# Altium PCB RailGun and Grabber PCB.PcbDoc (part 1 of 2)
Units mm, origin at the board's own origin, x right, y up, seen from the top; angles counter-clockwise.
Board outline 60 x 60 mm, 2 copper layers (Top Layer, Bottom Layer); 106 components, 59 nets, 345 pads, 97 vias.
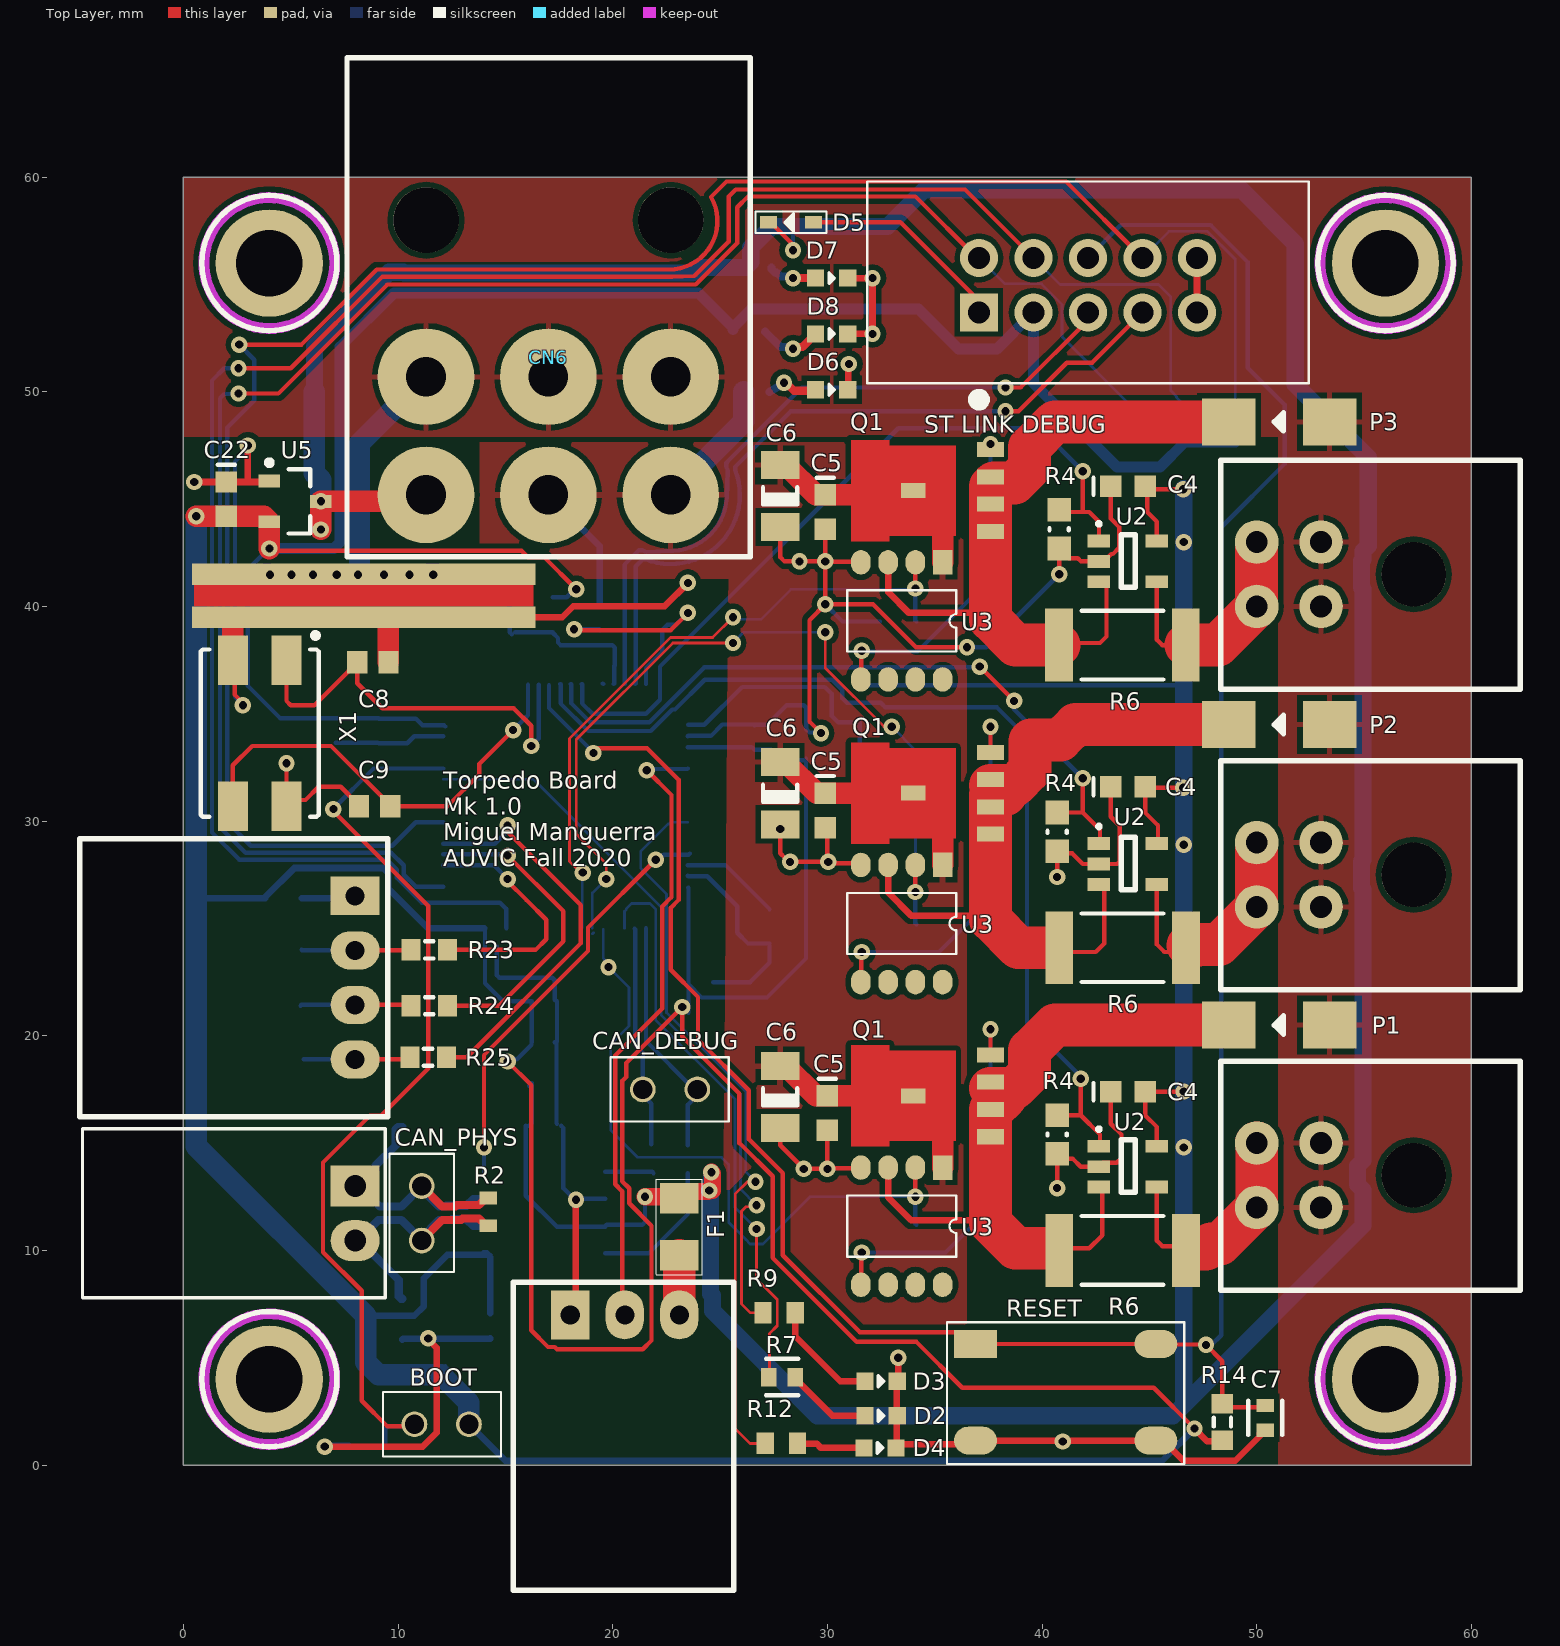
[diagram p0: Top Layer view]
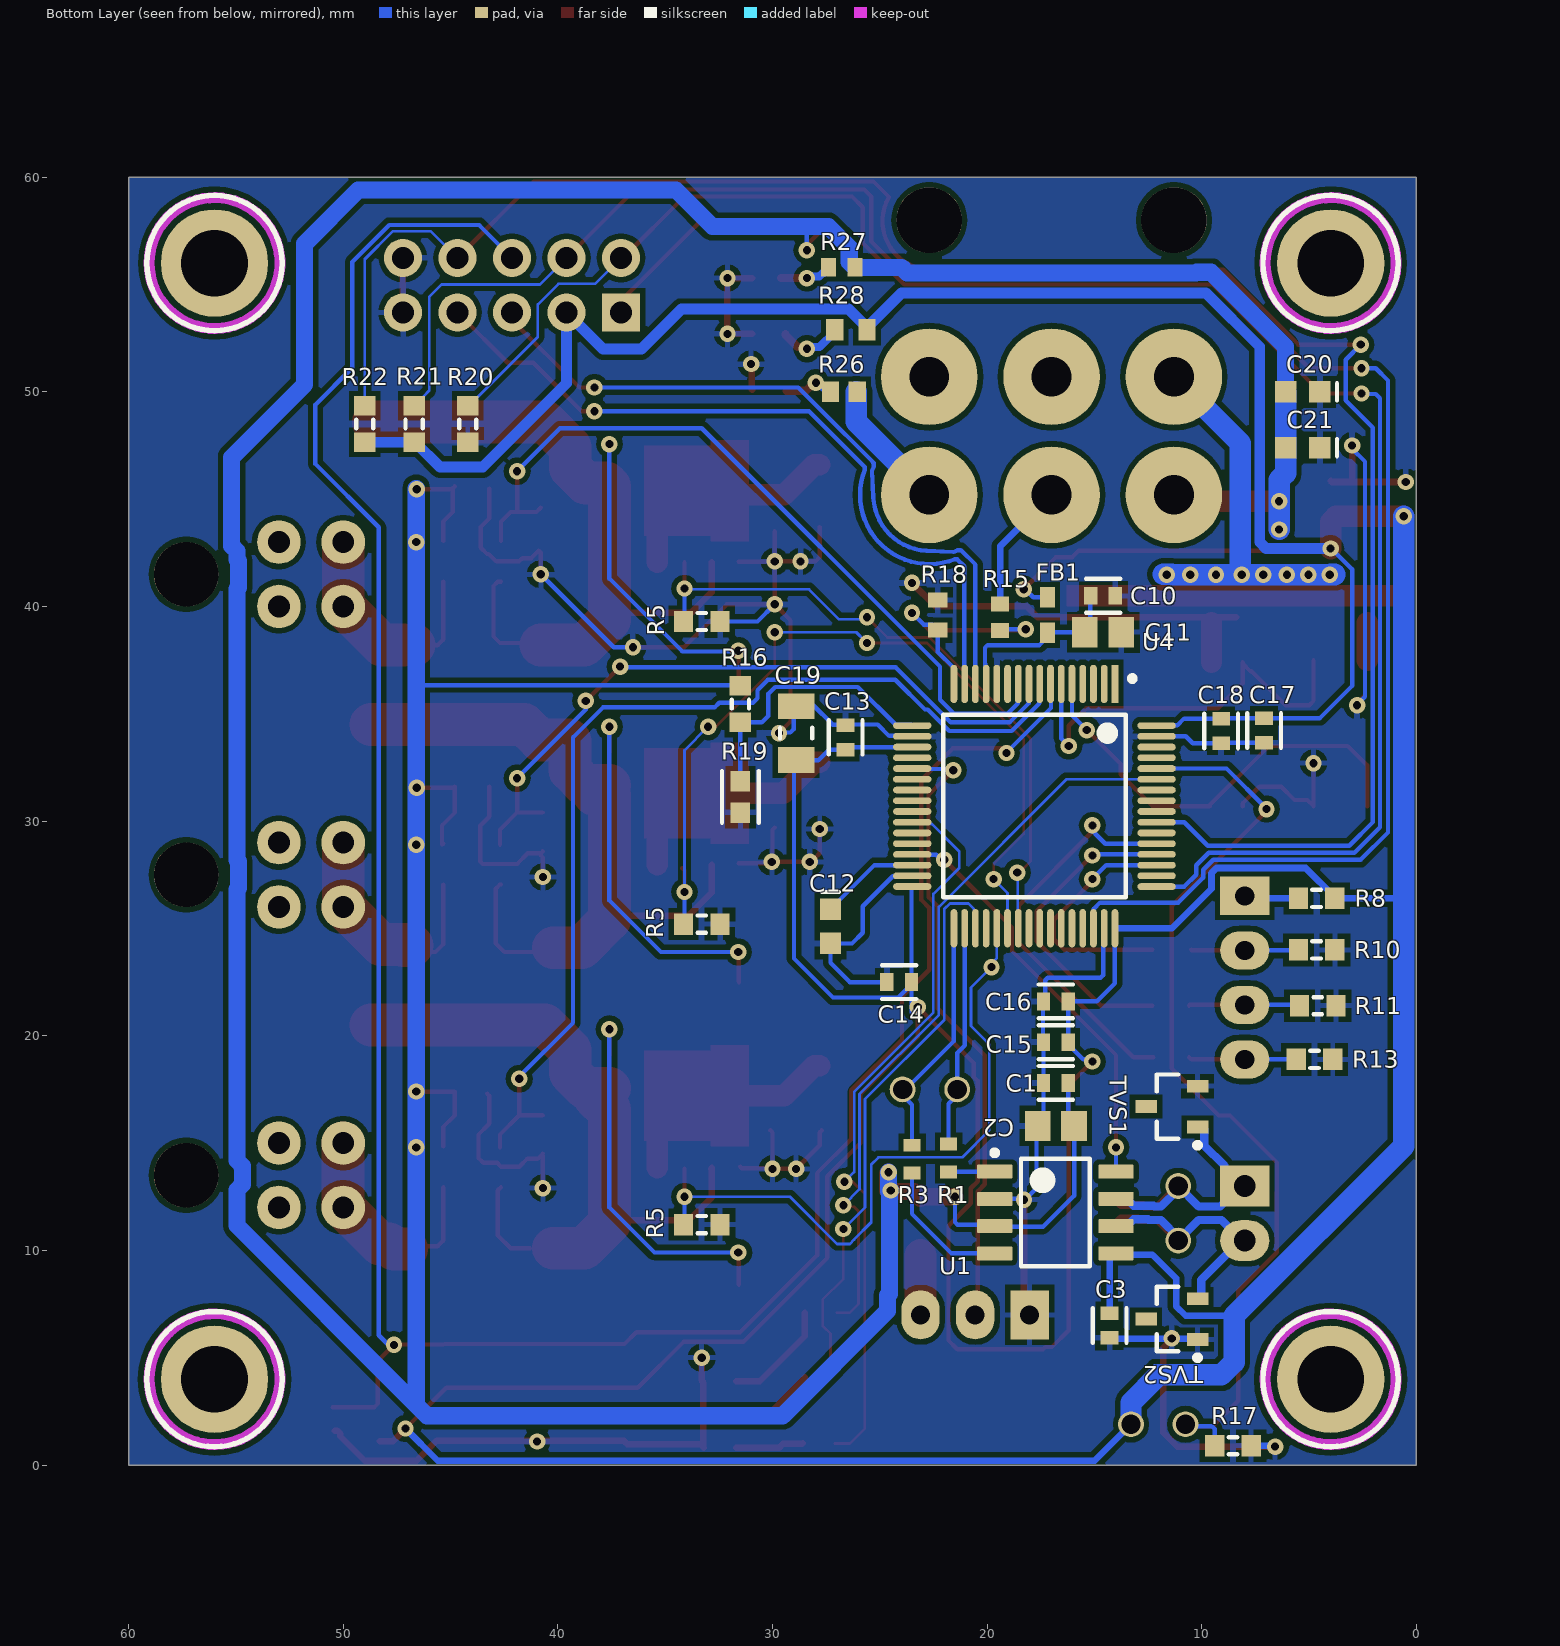
[diagram p1: Bottom Layer view, seen from below]
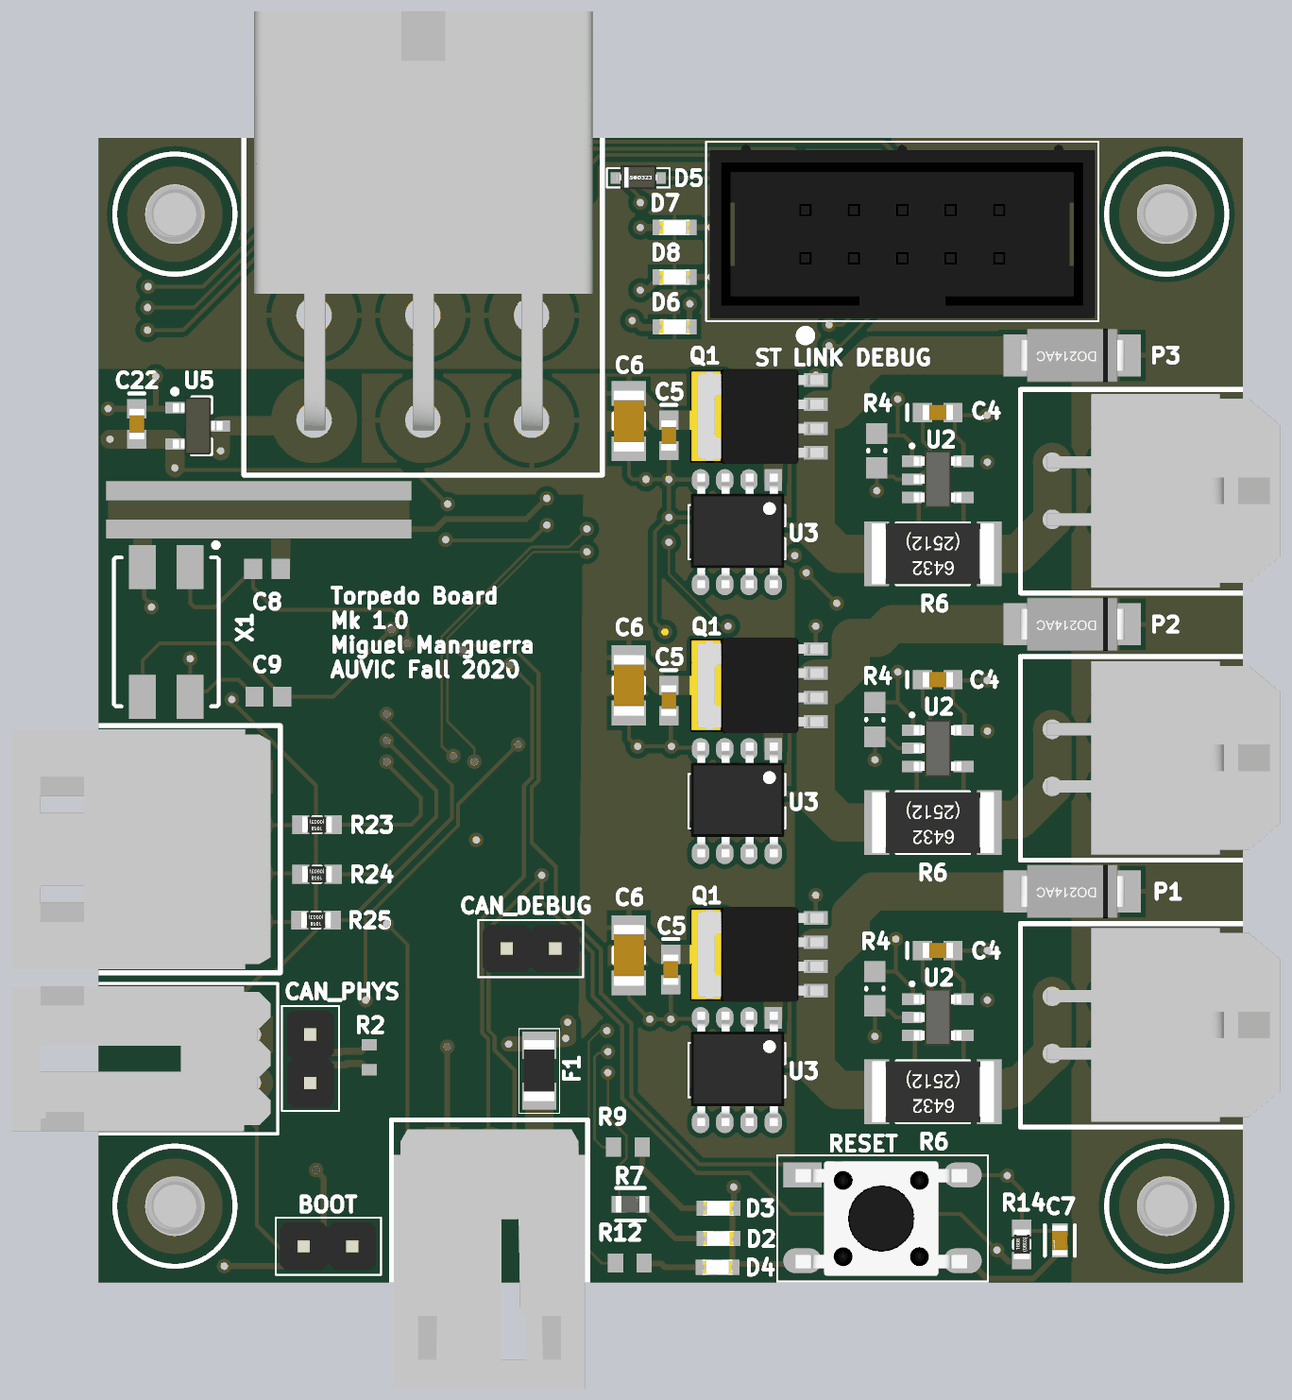
[diagram p3: 3D render of the assembled board from above, using the file's embedded part models]
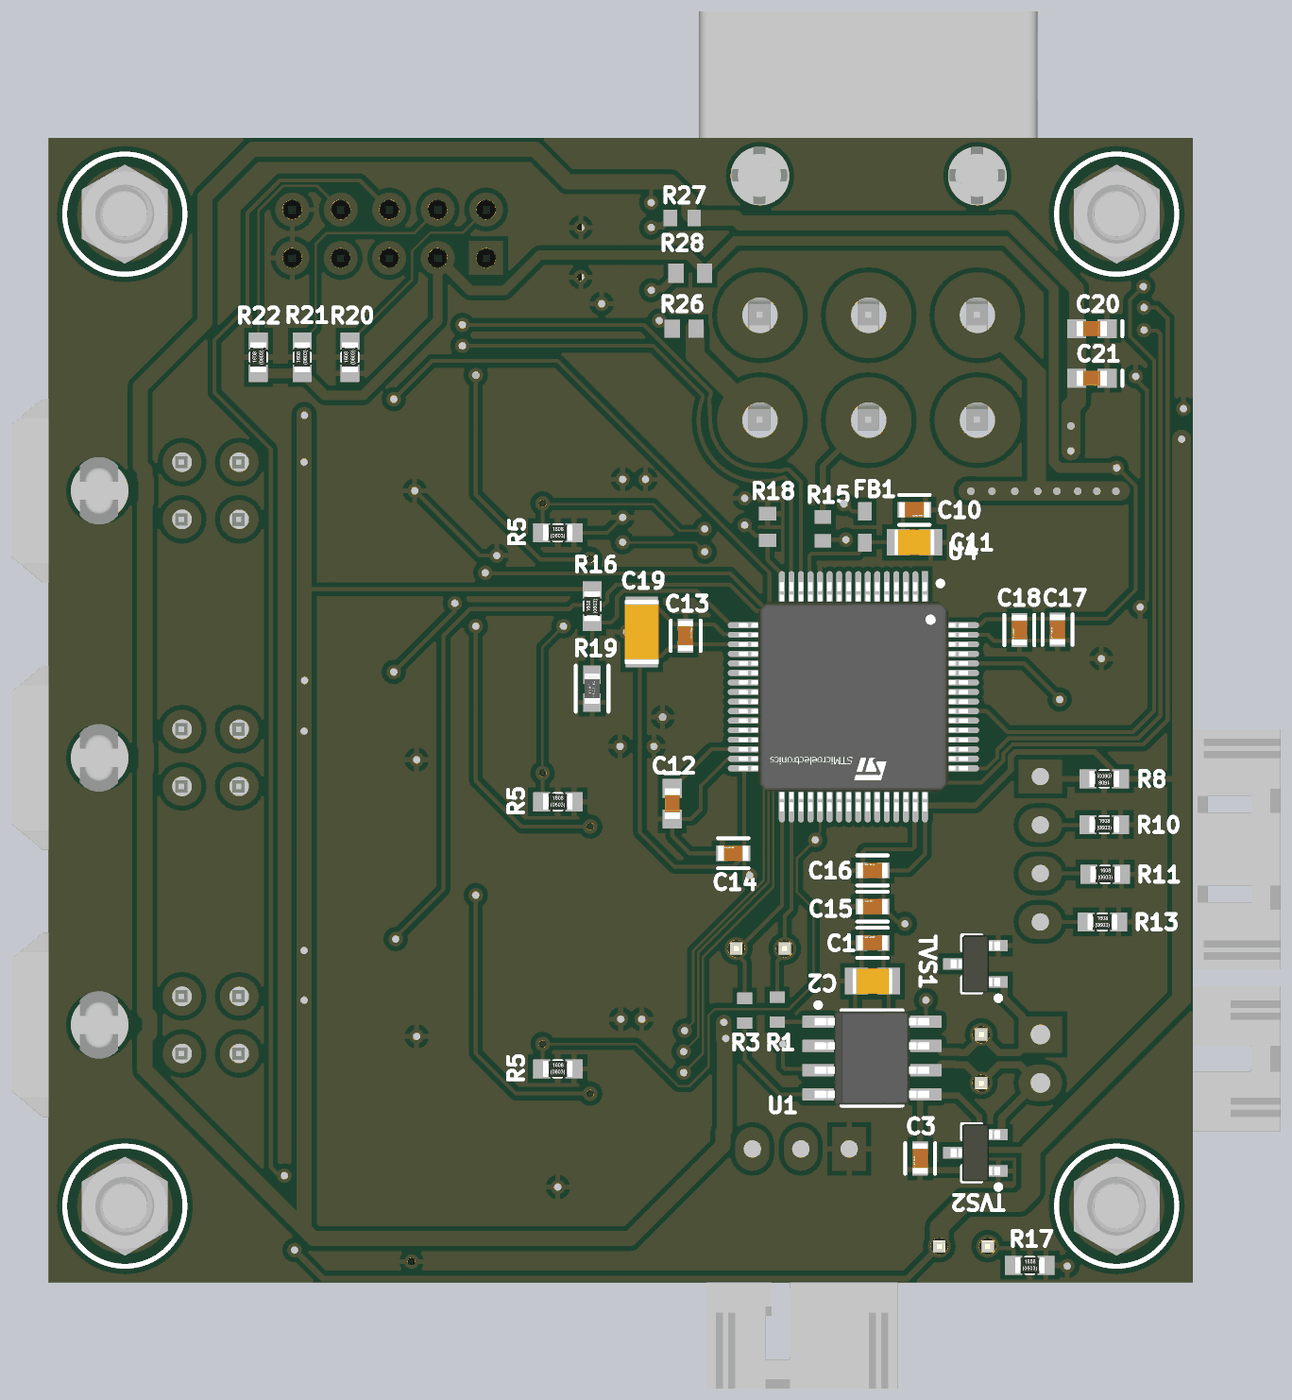
[diagram p4: 3D render of the assembled board from below, using the file's embedded part models]

## Layer stack, top to bottom
Top Solder: solder mask 0.0102, Solder Resist, Dk 3.5
Top Layer: signal copper 0.0356
Dielectric 1: dielectric 0.32, FR-4, Dk 4.8
Bottom Layer: signal copper 0.0356
Bottom Solder: solder mask 0.0102, Solder Resist, Dk 3.5

## Board outline
0,0 0,60 60,60 60,0

## Design rules (kind name [scope] priority, off if disabled: settings)
Clearance [All] p1: gap=0.254 ignorepadtopadclearanceinfootprint=TRUE except(0: Arc-Hole Track-Hole SMDPad-Hole THPad-Hole Via-Hole Fill-Hole Poly-Hole Region-Hole Text-Hole; 0.127: Arc-Arc Arc-Track Track-Track SMDPad-SMDPad; 0.2: Arc-SMDPad Track-SMDPad)
DiffPairsRouting [All] p1: maxlimit=0.254 minlimit=0.254 mostfreqgap=0.254 substack1={1260ACC6-85E4-4D82-83E6-3D41DB16D86C} toplayer_{1260acc6-85e4-4d82-83e6-3d41db16d86c}_minwidth=0.381 toplayer_{1260acc6-85e4-4d82-83e6-3d41db16d86c}_maxwidth=0.381 toplayer_{1260acc6-85e4-4d82-83e6-3d41db16d86c}_prefwidth=0.381 bottomlayer_{1260acc6-85e4-4d82-83e6-3d41db16d86c}_minwidth=0.381 bottomlayer_{1260acc6-85e4-4d82-83e6-3d41db16d86c}_maxwidth=0.381 bottomlayer_{1260acc6-85e4-4d82-83e6-3d41db16d86c}_prefwidth=0.381 substack2={1A9C11EF-4C38-4D1A-A854-84E1E4879404} toplayer_{1a9c11ef-4c38-4d1a-a854-84e1e4879404}_minwidth=0.381 toplayer_{1a9c11ef-4c38-4d1a-a854-84e1e4879404}_maxwidth=0.381 toplayer_{1a9c11ef-4c38-4d1a-a854-84e1e4879404}_prefwidth=0.381 bottomlayer_{1a9c11ef-4c38-4d1a-a854-84e1e4879404}_minwidth=0.381 bottomlayer_{1a9c11ef-4c38-4d1a-a854-84e1e4879404}_maxwidth=0.381 bottomlayer_{1a9c11ef-4c38-4d1a-a854-84e1e4879404}_prefwidth=0.381 substack3={9F6CD06F-F493-4797-AB8A-8720BC8A31AA} toplayer_{9f6cd06f-f493-4797-ab8a-8720bc8a31aa}_minwidth=0.381 toplayer_{9f6cd06f-f493-4797-ab8a-8720bc8a31aa}_maxwidth=0.381 toplayer_{9f6cd06f-f493-4797-ab8a-8720bc8a31aa}_prefwidth=0.381 bottomlayer_{9f6cd06f-f493-4797-ab8a-8720bc8a31aa}_minwidth=0.381 bottomlayer_{9f6cd06f-f493-4797-ab8a-8720bc8a31aa}_maxwidth=0.381 bottomlayer_{9f6cd06f-f493-4797-ab8a-8720bc8a31aa}_prefwidth=0.381 substack4={71D690DD-847A-4C3D-B523-9FD5E7B3DEDD} toplayer_{71d690dd-847a-4c3d-b523-9fd5e7b3dedd}_minwidth=0.381 toplayer_{71d690dd-847a-4c3d-b523-9fd5e7b3dedd}_maxwidth=0.381 toplayer_{71d690dd-847a-4c3d-b523-9fd5e7b3dedd}_prefwidth=0.381 bottomlayer_{71d690dd-847a-4c3d-b523-9fd5e7b3dedd}_minwidth=0.381 bottomlayer_{71d690dd-847a-4c3d-b523-9fd5e7b3dedd}_maxwidth=0.381 bottomlayer_{71d690dd-847a-4c3d-b523-9fd5e7b3dedd}_prefwidth=0.381 substack5={74708B12-80F5-46B3-9C82-2BE558CFFA17} toplayer_{74708b12-80f5-46b3-9c82-2be558cffa17}_minwidth=0.381 toplayer_{74708b12-80f5-46b3-9c82-2be558cffa17}_maxwidth=0.381 toplayer_{74708b12-80f5-46b3-9c82-2be558cffa17}_prefwidth=0.381 bottomlayer_{74708b12-80f5-46b3-9c82-2be558cffa17}_minwidth=0.381 bottomlayer_{74708b12-80f5-46b3-9c82-2be558cffa17}_maxwidth=0.381 bottomlayer_{74708b12-80f5-46b3-9c82-2be558cffa17}_prefwidth=0.381 substack6={B8A95E56-067C-42C3-A6F2-3DB1CDB80C83} toplayer_{b8a95e56-067c-42c3-a6f2-3db1cdb80c83}_minwidth=0.381 toplayer_{b8a95e56-067c-42c3-a6f2-3db1cdb80c83}_maxwidth=0.381 toplayer_{b8a95e56-067c-42c3-a6f2-3db1cdb80c83}_prefwidth=0.381 bottomlayer_{b8a95e56-067c-42c3-a6f2-3db1cdb80c83}_minwidth=0.381 bottomlayer_{b8a95e56-067c-42c3-a6f2-3db1cdb80c83}_maxwidth=0.381 bottomlayer_{b8a95e56-067c-42c3-a6f2-3db1cdb80c83}_prefwidth=0.381 toplayer_minwidth=0.152 toplayer_maxwidth=0.254 toplayer_prefwidth=0.203 bottomlayer_minwidth=0.152 bottomlayer_maxwidth=0.254 bottomlayer_prefwidth=0.203 substack7={94213BCC-47CC-449F-B71B-F70306018E1D} toplayer_{94213bcc-47cc-449f-b71b-f70306018e1d}_minwidth=0.381 toplayer_{94213bcc-47cc-449f-b71b-f70306018e1d}_maxwidth=0.381 toplayer_{94213bcc-47cc-449f-b71b-f70306018e1d}_prefwidth=0.381 bottomlayer_{94213bcc-47cc-449f-b71b-f70306018e1d}_minwidth=0.381 bottomlayer_{94213bcc-47cc-449f-b71b-f70306018e1d}_maxwidth=0.381 bottomlayer_{94213bcc-47cc-449f-b71b-f70306018e1d}_prefwidth=0.381 substack8={817B590F-DBCD-4ABC-AF63-0A3014FBEAA2} toplayer_{817b590f-dbcd-4abc-af63-0a3014fbeaa2}_minwidth=0.381 toplayer_{817b590f-dbcd-4abc-af63-0a3014fbeaa2}_maxwidth=0.381 toplayer_{817b590f-dbcd-4abc-af63-0a3014fbeaa2}_prefwidth=0.381 bottomlayer_{817b590f-dbcd-4abc-af63-0a3014fbeaa2}_minwidth=0.381 bottomlayer_{817b590f-dbcd-4abc-af63-0a3014fbeaa2}_maxwidth=0.381 bottomlayer_{817b590f-dbcd-4abc-af63-0a3014fbeaa2}_prefwidth=0.381 substack9={1DE5DE44-2751-42A6-8676-632216DC7D05} toplayer_{1de5de44-2751-42a6-8676-632216dc7d05}_minwidth=0.381 toplayer_{1de5de44-2751-42a6-8676-632216dc7d05}_maxwidth=0.381 toplayer_{1de5de44-2751-42a6-8676-632216dc7d05}_prefwidth=0.381 bottomlayer_{1de5de44-2751-42a6-8676-632216dc7d05}_minwidth=0.381 bottomlayer_{1de5de44-2751-42a6-8676-632216dc7d05}_maxwidth=0.381 bottomlayer_{1de5de44-2751-42a6-8676-632216dc7d05}_prefwidth=0.381 substack10={BB338F9E-D4DA-4923-A346-BCED239F7931} toplayer_{bb338f9e-d4da-4923-a346-bced239f7931}_minwidth=0.381 toplayer_{bb338f9e-d4da-4923-a346-bced239f7931}_maxwidth=0.381 toplayer_{bb338f9e-d4da-4923-a346-bced239f7931}_prefwidth=0.381 bottomlayer_{bb338f9e-d4da-4923-a346-bced239f7931}_minwidth=0.381 bottomlayer_{bb338f9e-d4da-4923-a346-bced239f7931}_maxwidth=0.381 bottomlayer_{bb338f9e-d4da-4923-a346-bced239f7931}_prefwidth=0.381 substack11={5F61F61F-29EB-4F6B-A121-35C503924A8D} toplayer_{5f61f61f-29eb-4f6b-a121-35c503924a8d}_minwidth=0.381 toplayer_{5f61f61f-29eb-4f6b-a121-35c503924a8d}_maxwidth=0.381 toplayer_{5f61f61f-29eb-4f6b-a121-35c503924a8d}_prefwidth=0.381 bottomlayer_{5f61f61f-29eb-4f6b-a121-35c503924a8d}_minwidth=0.381 bottomlayer_{5f61f61f-29eb-4f6b-a121-35c503924a8d}_maxwidth=0.381 bottomlayer_{5f61f61f-29eb-4f6b-a121-35c503924a8d}_prefwidth=0.381 substack12={60A6CCC8-E72C-4647-BD00-BEB587910AAB} toplayer_{60a6ccc8-e72c-4647-bd00-beb587910aab}_minwidth=0.381 toplayer_{60a6ccc8-e72c-4647-bd00-beb587910aab}_maxwidth=0.381 toplayer_{60a6ccc8-e72c-4647-bd00-beb587910aab}_prefwidth=0.381 bottomlayer_{60a6ccc8-e72c-4647-bd00-beb587910aab}_minwidth=0.381 bottomlayer_{60a6ccc8-e72c-4647-bd00-beb587910aab}_maxwidth=0.381 bottomlayer_{60a6ccc8-e72c-4647-bd00-beb587910aab}_prefwidth=0.381 substack13={53DB6B57-BB26-4ACD-AB87-46CA483E2A9E} toplayer_{53db6b57-bb26-4acd-ab87-46ca483e2a9e}_minwidth=0.381 toplayer_{53db6b57-bb26-4acd-ab87-46ca483e2a9e}_maxwidth=0.381 toplayer_{53db6b57-bb26-4acd-ab87-46ca483e2a9e}_prefwidth=0.381 bottomlayer_{53db6b57-bb26-4acd-ab87-46ca483e2a9e}_minwidth=0.381 bottomlayer_{53db6b57-bb26-4acd-ab87-46ca483e2a9e}_maxwidth=0.381 bottomlayer_{53db6b57-bb26-4acd-ab87-46ca483e2a9e}_prefwidth=0.381 substack14={8CE80B9B-0EF6-46A9-B961-1E9D7D99B76E} toplayer_{8ce80b9b-0ef6-46a9-b961-1e9d7d99b76e}_minwidth=0.381 toplayer_{8ce80b9b-0ef6-46a9-b961-1e9d7d99b76e}_maxwidth=0.381 toplayer_{8ce80b9b-0ef6-46a9-b961-1e9d7d99b76e}_prefwidth=0.381 bottomlayer_{8ce80b9b-0ef6-46a9-b961-1e9d7d99b76e}_minwidth=0.381 bottomlayer_{8ce80b9b-0ef6-46a9-b961-1e9d7d99b76e}_maxwidth=0.381 bottomlayer_{8ce80b9b-0ef6-46a9-b961-1e9d7d99b76e}_prefwidth=0.381 substack15={7435B66F-69EE-4E92-8019-CECA43BD2B72} toplayer_{7435b66f-69ee-4e92-8019-ceca43bd2b72}_minwidth=0.381 toplayer_{7435b66f-69ee-4e92-8019-ceca43bd2b72}_maxwidth=0.381 toplayer_{7435b66f-69ee-4e92-8019-ceca43bd2b72}_prefwidth=0.381 bottomlayer_{7435b66f-69ee-4e92-8019-ceca43bd2b72}_minwidth=0.381 bottomlayer_{7435b66f-69ee-4e92-8019-ceca43bd2b72}_maxwidth=0.381 bottomlayer_{7435b66f-69ee-4e92-8019-ceca43bd2b72}_prefwidth=0.381 substack16={FDF688FC-5756-4FC9-93C1-44D2A132F7D2} toplayer_{fdf688fc-5756-4fc9-93c1-44d2a132f7d2}_minwidth=0.381 toplayer_{fdf688fc-5756-4fc9-93c1-44d2a132f7d2}_maxwidth=0.381 toplayer_{fdf688fc-5756-4fc9-93c1-44d2a132f7d2}_prefwidth=0.381 bottomlayer_{fdf688fc-5756-4fc9-93c1-44d2a132f7d2}_minwidth=0.381 bottomlayer_{fdf688fc-5756-4fc9-93c1-44d2a132f7d2}_maxwidth=0.381 bottomlayer_{fdf688fc-5756-4fc9-93c1-44d2a132f7d2}_prefwidth=0.381 substack17={35104EFE-8738-4717-92E0-A5A903437006} toplayer_{35104efe-8738-4717-92e0-a5a903437006}_minwidth=0.381 toplayer_{35104efe-8738-4717-92e0-a5a903437006}_maxwidth=0.381 toplayer_{35104efe-8738-4717-92e0-a5a903437006}_prefwidth=0.381 bottomlayer_{35104efe-8738-4717-92e0-a5a903437006}_minwidth=0.381 bottomlayer_{35104efe-8738-4717-92e0-a5a903437006}_maxwidth=0.381 bottomlayer_{35104efe-8738-4717-92e0-a5a903437006}_prefwidth=0.381 substack18={219FF549-9C8F-439F-A256-39AD154999FE} toplayer_{219ff549-9c8f-439f-a256-39ad154999fe}_minwidth=0.381 toplayer_{219ff549-9c8f-439f-a256-39ad154999fe}_maxwidth=0.381 toplayer_{219ff549-9c8f-439f-a256-39ad154999fe}_prefwidth=0.381 bottomlayer_{219ff549-9c8f-439f-a256-39ad154999fe}_minwidth=0.381 bottomlayer_{219ff549-9c8f-439f-a256-39ad154999fe}_maxwidth=0.381 bottomlayer_{219ff549-9c8f-439f-a256-39ad154999fe}_prefwidth=0.381 substack19={3788D7A0-EEC6-4A78-BB3C-584B7A209235} toplayer_{3788d7a0-eec6-4a78-bb3c-584b7a209235}_minwidth=0.381 toplayer_{3788d7a0-eec6-4a78-bb3c-584b7a209235}_maxwidth=0.381 toplayer_{3788d7a0-eec6-4a78-bb3c-584b7a209235}_prefwidth=0.381 bottomlayer_{3788d7a0-eec6-4a78-bb3c-584b7a209235}_minwidth=0.381 bottomlayer_{3788d7a0-eec6-4a78-bb3c-584b7a209235}_maxwidth=0.381 bottomlayer_{3788d7a0-eec6-4a78-bb3c-584b7a209235}_prefwidth=0.381 substack20={E7D1D8E2-E415-429E-ACD4-6B546A18C4A7} toplayer_{e7d1d8e2-e415-429e-acd4-6b546a18c4a7}_minwidth=0.381 toplayer_{e7d1d8e2-e415-429e-acd4-6b546a18c4a7}_maxwidth=0.381 toplayer_{e7d1d8e2-e415-429e-acd4-6b546a18c4a7}_prefwidth=0.381 bottomlayer_{e7d1d8e2-e415-429e-acd4-6b546a18c4a7}_minwidth=0.381 bottomlayer_{e7d1d8e2-e415-429e-acd4-6b546a18c4a7}_maxwidth=0.381 bottomlayer_{e7d1d8e2-e415-429e-acd4-6b546a18c4a7}_prefwidth=0.381 substack21={35277A7F-D2FD-48EF-B9A1-309E532C4501} toplayer_{35277a7f-d2fd-48ef-b9a1-309e532c4501}_minwidth=0.381 toplayer_{35277a7f-d2fd-48ef-b9a1-309e532c4501}_maxwidth=0.381 toplayer_{35277a7f-d2fd-48ef-b9a1-309e532c4501}_prefwidth=0.381 bottomlayer_{35277a7f-d2fd-48ef-b9a1-309e532c4501}_minwidth=0.381 bottomlayer_{35277a7f-d2fd-48ef-b9a1-309e532c4501}_maxwidth=0.381 bottomlayer_{35277a7f-d2fd-48ef-b9a1-309e532c4501}_prefwidth=0.381 maxuncoupledlength=12.7
HoleSize [All] p1: absolutevalues=TRUE maxlimit=4 minlimit=0.025 maxpercent=80.000 minpercent=20.000
PolygonConnect [All] p1: connectstyle=Relief reliefconductorwidth=0.254 reliefentries=4 polygonreliefangle="90 Angle" airgapwidth=0.254
RoutingVias [All] p1: holewidth=0.381 width=0.381 viastyle="Through Hole" minholewidth=0.2 minwidth=0.45 maxholewidth=6.3 maxwidth=6.3
SolderMaskExpansion [All] p1: expansion=0.1 istentingtop=TRUE useseparateexpansions=TRUE expansionbottom=0.1 istentingbottom=TRUE
UnRoutedNet [All] p1: checkbadconnections=TRUE
Width [All] p1: maxlimit=8 minlimit=0.127 preferedwidth=0.305 substack1={1260ACC6-85E4-4D82-83E6-3D41DB16D86C} substack2={1A9C11EF-4C38-4D1A-A854-84E1E4879404} substack3={9F6CD06F-F493-4797-AB8A-8720BC8A31AA} substack4={71D690DD-847A-4C3D-B523-9FD5E7B3DEDD} substack5={74708B12-80F5-46B3-9C82-2BE558CFFA17} substack6={B8A95E56-067C-42C3-A6F2-3DB1CDB80C83} bottomlayer_prefwidth=0.305 substack7={94213BCC-47CC-449F-B71B-F70306018E1D} substack8={817B590F-DBCD-4ABC-AF63-0A3014FBEAA2} substack9={1DE5DE44-2751-42A6-8676-632216DC7D05} substack10={BB338F9E-D4DA-4923-A346-BCED239F7931} substack11={5F61F61F-29EB-4F6B-A121-35C503924A8D} substack12={60A6CCC8-E72C-4647-BD00-BEB587910AAB} substack13={53DB6B57-BB26-4ACD-AB87-46CA483E2A9E} substack14={8CE80B9B-0EF6-46A9-B961-1E9D7D99B76E} substack15={7435B66F-69EE-4E92-8019-CECA43BD2B72} substack16={FDF688FC-5756-4FC9-93C1-44D2A132F7D2} substack17={35104EFE-8738-4717-92E0-A5A903437006} substack18={219FF549-9C8F-439F-A256-39AD154999FE} substack19={3788D7A0-EEC6-4A78-BB3C-584B7A209235} substack20={E7D1D8E2-E415-429E-ACD4-6B546A18C4A7} substack21={35277A7F-D2FD-48EF-B9A1-309E532C4501} minimp=50.000000 maximp=50.000000 favimp=50.000000
27 further rules are at their usual default settings.